# Altium PCB LoggerBoard.PcbDoc
Units mm, origin at the board's own origin, x right, y up, seen from the top; angles counter-clockwise.
Board outline 112.88 x 192.86 mm, 2 copper layers (Top Layer, Bottom Layer); 197 components, 180 nets, 923 pads, 0 vias.
Unrouted connection lines stored in the file: 617.
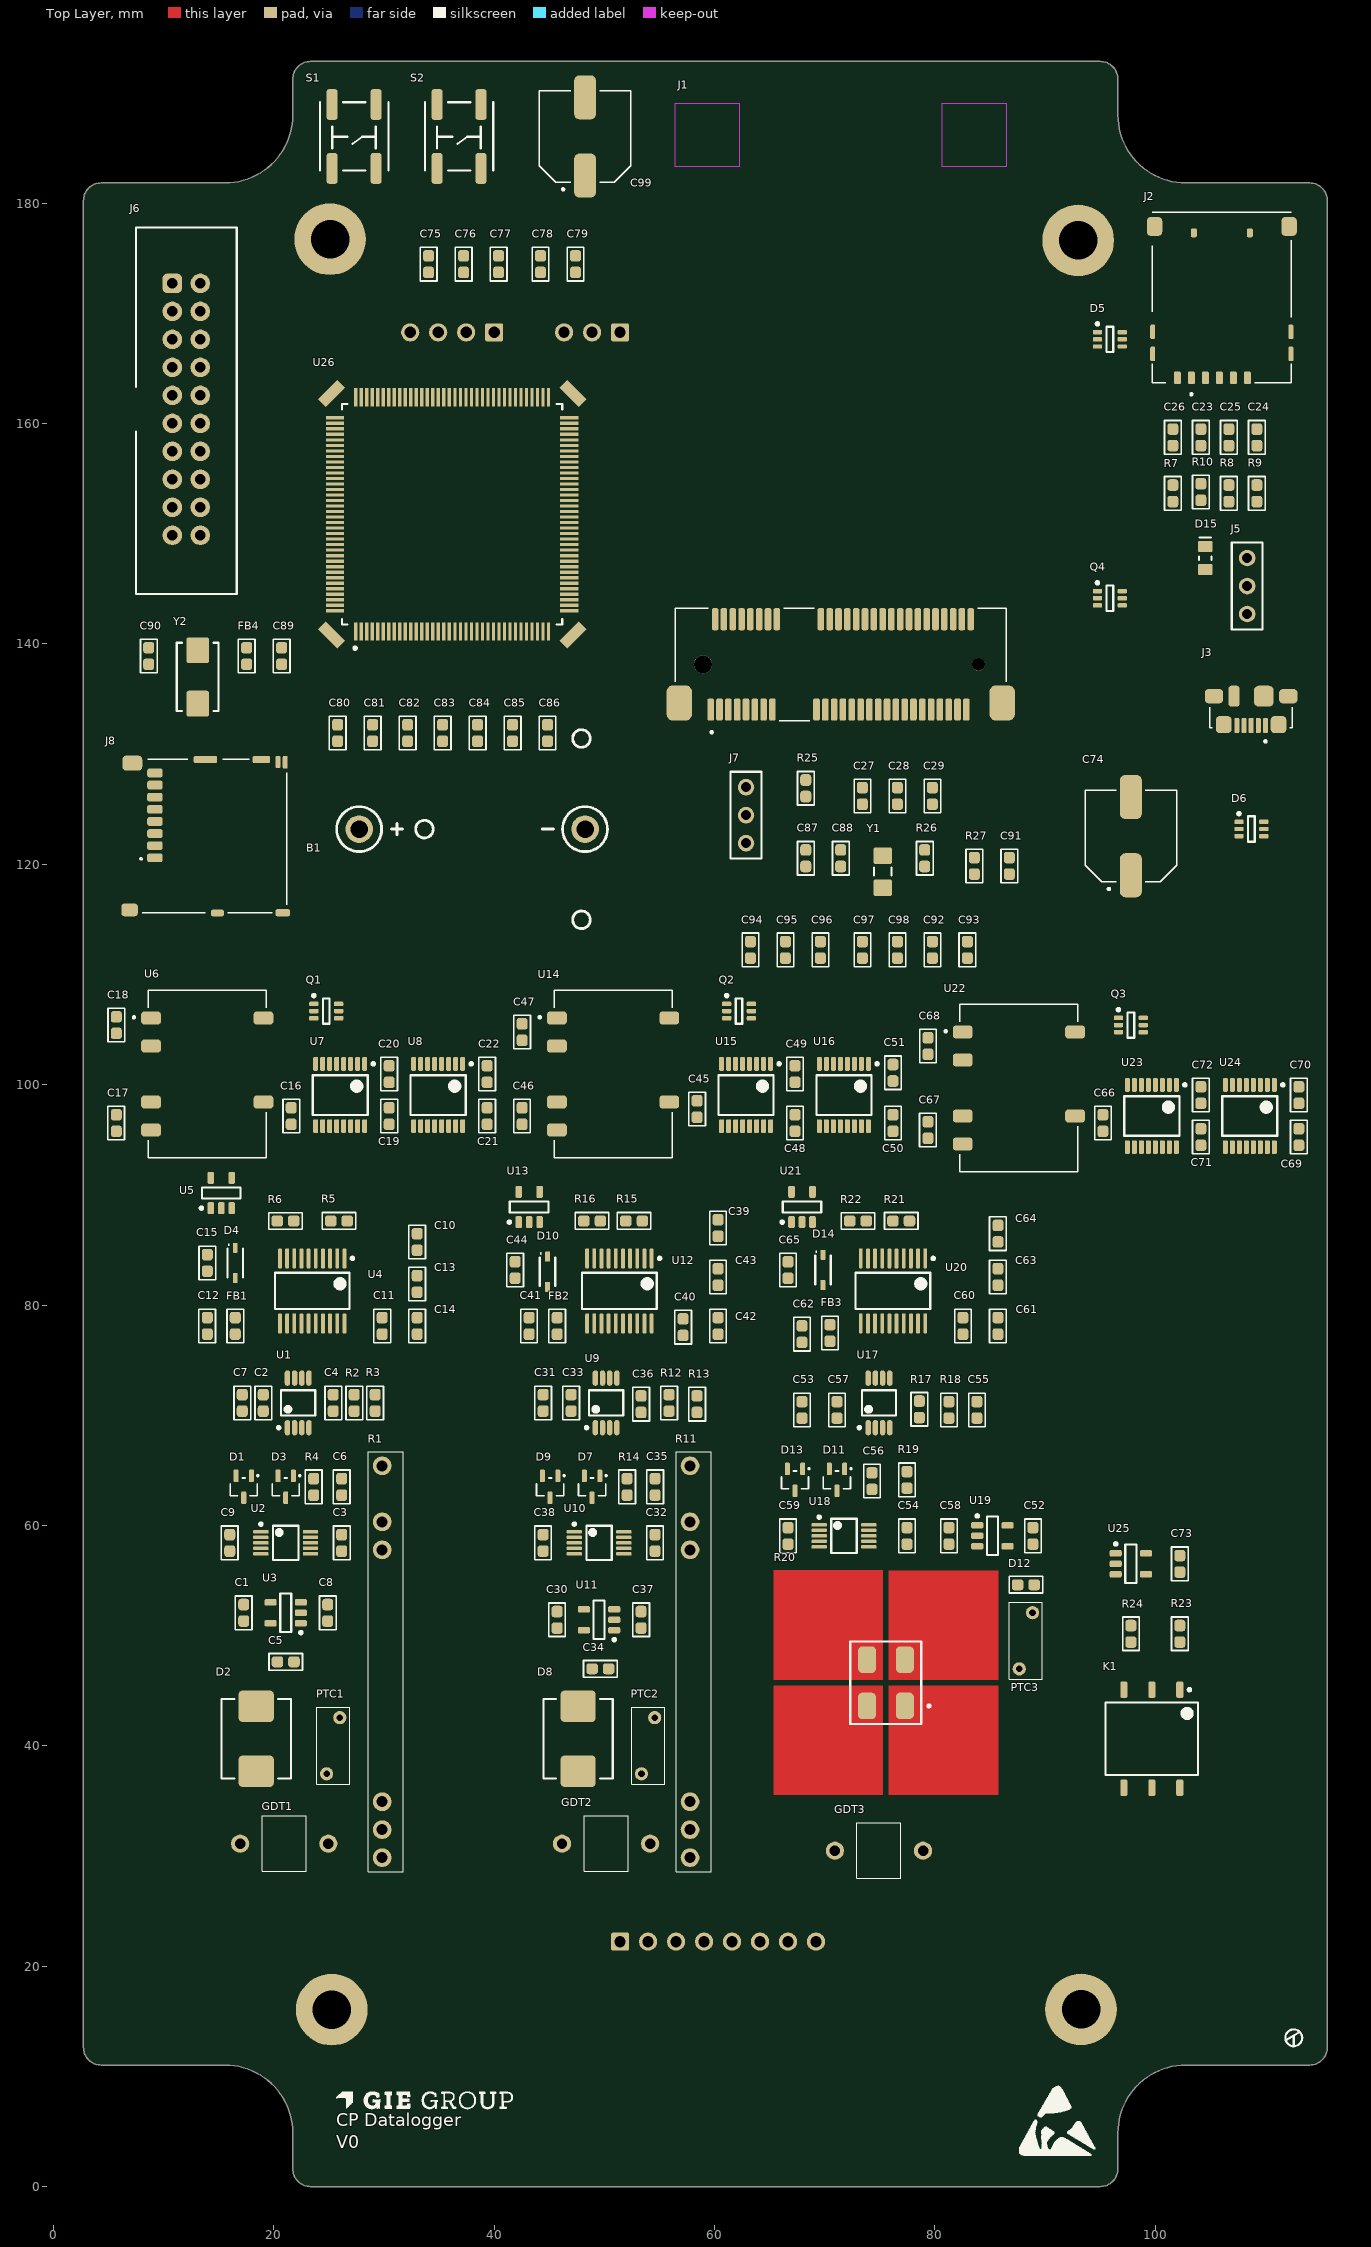
[diagram p0: Top Layer view]
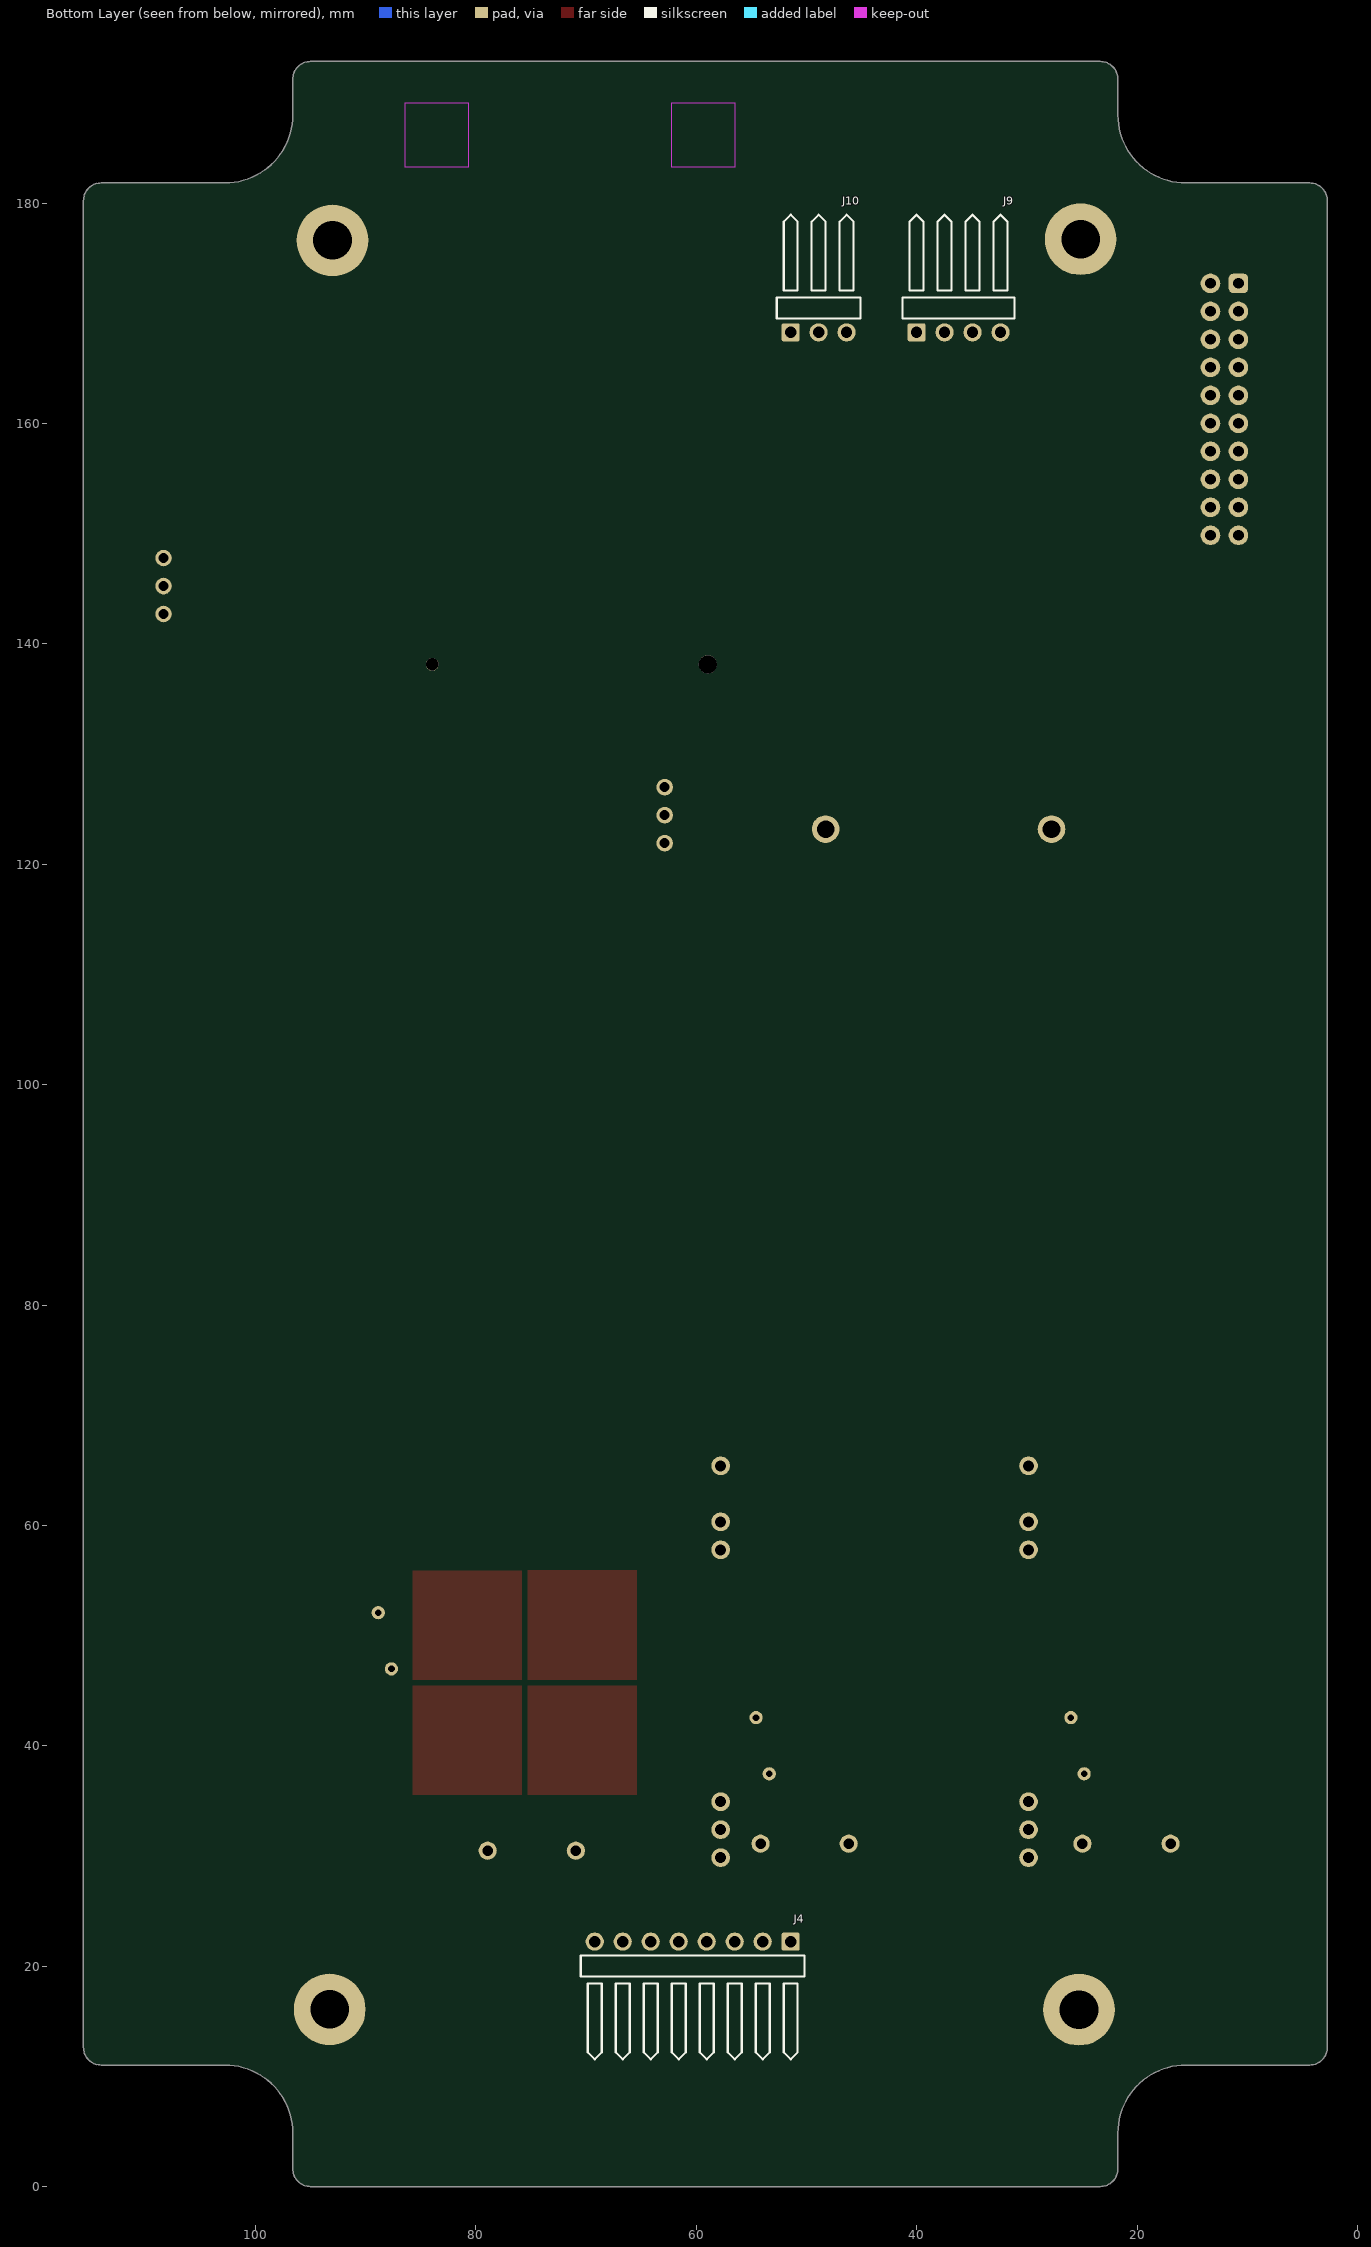
[diagram p1: Bottom Layer view, seen from below]

## Layer stack, top to bottom
Top Solder: solder mask 0.0102, Solder Resist, Dk 3.5
Top Layer: signal copper 0.0356
Dielectric 1: dielectric 0.32, FR-4, Dk 4.8
Bottom Layer: signal copper 0.0356
Bottom Solder: solder mask 0.0102, Solder Resist, Dk 3.5

## Board outline
96.616,1.6 96.615,4.854 cw(c102.785,4.854) 102.785,11.024 114.015,11.025 ccw(c114.015,12.625) 115.615,12.625 115.615,180.235 ccw(c114.015,180.235) 114.015,181.835 102.785,181.836 cw(c102.785,188.006) 96.615,188.006 96.615,191.26 96.616,191.26 ccw(c95.016,191.26) 95.016,192.86 23.335,192.86 ccw(c23.335,191.26) 21.735,191.26 21.735,188.006 cw(c15.565,188.006) 15.565,181.836 4.335,181.835 ccw(c4.335,180.235) 2.735,180.235 2.735,12.625 ccw(c4.335,12.625) 4.335,11.025 15.565,11.024 cw(c15.565,4.854) 21.735,4.854 21.735,1.6 ccw(c23.335,1.6) 23.335,0 95.016,0 ccw(c95.016,1.6)

## Design rules (kind name [scope] priority, off if disabled: settings)
Clearance [All] p1: gap=0.254 ignorepadtopadclearanceinfootprint=FALSE except(0: Arc-Hole Track-Hole SMDPad-Hole THPad-Hole Via-Hole Fill-Hole Poly-Hole Region-Hole Text-Hole)
PolygonConnect [All] p1: connectstyle=Relief reliefconductorwidth=0.254 reliefentries=4 polygonreliefangle="90 Angle" airgapwidth=0.254
RoomDefinition USB [InComponentClass('USB')] p1: confinementstyle=ConfineOut formatcopy=TRUE lockcomponents=FALSE outline 186.055,109.855 197.485,109.855 197.485,123.825 186.055,123.825
RoomDefinition POWER [InComponentClass('POWER')] p2: confinementstyle=ConfineOut formatcopy=TRUE lockcomponents=FALSE outline 178.435,86.36 197.485,86.36 197.485,100.965 178.435,100.965
RoomDefinition MICRO-SD [InComponentClass('MICRO-SD')] p3: confinementstyle=ConfineOut formatcopy=TRUE lockcomponents=FALSE outline 233.68,71.12 250.19,71.12 250.19,90.17 233.68,90.17
RoomDefinition MICROCONTROLLER-PORTS [InComponentClass('MICROCONTROLLER-PORTS')] p4: confinementstyle=ConfineOut formatcopy=TRUE lockcomponents=FALSE outline 185.42,-27.305 236.22,-27.305 236.22,-1.905 185.42,-1.905
RoomDefinition MICROCONTROLLER-CONTROL [InComponentClass('MICROCONTROLLER-CONTROL')] p5: confinementstyle=ConfineOut formatcopy=TRUE lockcomponents=FALSE outline 201.295,8.89 227.965,8.89 227.965,36.83 201.295,36.83
RoomDefinition General [InComponentClass('General')] p6: confinementstyle=ConfineOut formatcopy=TRUE lockcomponents=FALSE outline 239.395,41.275 252.095,41.275 252.095,64.135 239.395,64.135
RoomDefinition SWITCH [InComponentClass('SWITCH')] p7: confinementstyle=ConfineOut formatcopy=TRUE lockcomponents=FALSE outline 170.815,20.955 193.04,20.955 193.04,33.655 170.815,33.655
RoomDefinition "CH3 ISOLATION" [InComponentClass('CH3 ISOLATION')] p8: confinementstyle=ConfineOut formatcopy=TRUE lockcomponents=FALSE outline 320.675,-40.64 389.255,-40.64 389.255,-22.225 320.675,-22.225
RoomDefinition "CH3 INPUT" [InComponentClass('CH3 INPUT')] p9: confinementstyle=ConfineOut formatcopy=TRUE lockcomponents=FALSE outline 259.715,-13.97 389.89,-13.97 389.89,8.89 259.715,8.89
RoomDefinition MODEM [InComponentClass('MODEM')] p10: confinementstyle=ConfineOut formatcopy=TRUE lockcomponents=FALSE outline 180.34,48.26 203.2,48.26 203.2,67.945 180.34,67.945
RoomDefinition "CH2 ISOLATION" [InComponentClass('CH2 ISOLATION')] p11: confinementstyle=ConfineOut formatcopy=TRUE lockcomponents=FALSE outline 314.325,11.43 382.905,11.43 382.905,29.845 314.325,29.845
RoomDefinition "CH2 INPUT" [InComponentClass('CH2 INPUT')] p12: confinementstyle=ConfineOut formatcopy=TRUE lockcomponents=FALSE outline 260.985,134.62 383.54,134.62 383.54,175.26 260.985,175.26
RoomDefinition "CH1 ISOLATION" [InComponentClass('CH1 ISOLATION')] p13: confinementstyle=ConfineOut formatcopy=TRUE lockcomponents=FALSE outline 331.47,45.72 382.27,45.72 382.27,71.12 331.47,71.12
RoomDefinition "CH1 INPUT" [InComponentClass('CH1 INPUT')] p14: confinementstyle=ConfineOut formatcopy=TRUE lockcomponents=FALSE outline 263.525,85.725 381,85.725 381,126.365 263.525,126.365
RoutingVias [All] p1: holewidth=0.711 width=1.27 viastyle="Through Hole" minholewidth=0.711 minwidth=1.27 maxholewidth=0.711 maxwidth=1.27
SolderMaskExpansion [All] p1: expansion=0.102 istentingtop=FALSE
Width [All] p1: maxlimit=0.254 minlimit=0.254 preferedwidth=0.254
30 further rules are at their usual default settings.

## Classes and differential pairs
component class USB: J9
component class POWER: C99 J10
component class MICRO-SD: J8
component class MICROCONTROLLER-CONTROL: B1 C75 C76 C77 C78 C79 C80 C81 C82 C83 C84 C85 C86 C89 C90 C91 C92 C93 C94 C95 C96 C97 C98 FB4 R27 S1 S2 Y2
component class MICROCONTROLLER-PORTS: C87 C88 J6 J7 R26 U26 Y1
component class General: J4
component class SWITCH: C73 K1 R23 R24 U25
component class "CH3 ISOLATION": C65 C66 C67 C68 C69 C70 C71 C72 D14 Q3 U21 U22 U23 U24
component class "CH3 INPUT": C52 C53 C54 C55 C56 C57 C58 C59 C60 C61 C62 C63 C64 D11 D12 D13 FB3 GDT3 PTC3 R17 R18 R19 R20 R21 R22 U17 U18 U19 U20
component class MODEM: C23 C24 C25 C26 C27 C28 C29 C74 D5 D6 D15 J1 J2 J3 J5 Q4 R7 R8 R9 R10 R25
component class "CH2 ISOLATION": C44 C45 C46 C47 C48 C49 C50 C51 D10 Q2 U13 U14 U15 U16
component class "CH2 INPUT": C30 C31 C32 C33 C34 C35 C36 C37 C38 C39 C40 C41 C42 C43 D7 D8 D9 FB2 GDT2 PTC2 R11 R12 R13 R14 R15 R16 U9 U10 U11 U12
component class "CH1 ISOLATION": C15 C16 C17 C18 C19 C20 C21 C22 D4 Q1 U5 U6 U7 U8
component class "CH1 INPUT": C1 C2 C3 C4 C5 C6 C7 C8 C9 C10 C11 C12 C13 C14 D1 D2 D3 FB1 GDT1 PTC1 R1 R2 R3 R4 R5 R6 U1 U2 U3 U4

## Components (designator, comment, footprint, x,y, rotation, side; value= is the part's Value field where it differs from the comment)
B1 "101" Holder-CR2032-103 43.18,123.19 r180 top
C1 "C0603C104K5RACAUTO" CAP-0603 17.28,52.07 r270 top value=0.1uF
C2 "C0603C104K5RACAUTO" CAP-0603 19.05,71.12 r90 top value=0.1uF
C3 "C0603C104K5RACAUTO" CAP-0603 26.17,58.42 r90 top value=0.1uF
C4 "C0603C162J5GAC7867" CAP-0603 25.4,71.12 r90 top value=1.6nF
C5 "C0603C161J1GAC7867" CAP-0603 21.09,47.625 r0 top value=750pF
C6 "C0603C162J5GAC7867" CAP-0603 26.17,63.5 r270 top value=1.6nF
C7 "C0603C161J1GAC7867" CAP-0603 17.145,71.12 r90 top value=160pF
C8 "C0603C104K5RACAUTO" CAP-0603 24.9,52.07 r90 top value=0.1uF
C9 "C0603C104K5RACAUTO" CAP-0603 16.01,58.42 r270 top value=0.1uF
C10 "C0603C105M3RAC7867" CAP-0603 33.02,85.725 r90 top value=1.0uF
C11 "C0603C105M3RAC7867" CAP-0603 29.845,78.105 r90 top value=1.0uF
C12 "C0603C105M3RAC7867" CAP-0603 13.97,78.105 r270 top value=1.0uF
C13 "C0603C105M3RAC7867" CAP-0603 33.02,81.915 r270 top value=1.0uF
C14 "C0603C105M3RAC7867" CAP-0603 33.02,78.105 r90 top value=1.0uF
C15 "C0603C105M3RAC7867" CAP-0603 13.97,83.82 r90 top value=1.0uF
C16 "C0603C105M3RAC7867" CAP-0603 21.59,97.155 r90 top value=1.0uF
C17 "C0603C105M3RAC7867" CAP-0603 5.715,96.52 r270 top value=1.0uF
C18 "C0603C105M3RAC7867" CAP-0603 5.715,105.41 r90 top value=1.0uF
C19 "C0603C105M3RAC7867" CAP-0603 30.48,97.155 r90 top value=1.0uF
C20 "C0603C105M3RAC7867" CAP-0603 30.48,100.965 r270 top value=1.0uF
C21 "C0603C105M3RAC7867" CAP-0603 39.37,97.155 r90 top value=1.0uF
C22 "C0603C105M3RAC7867" CAP-0603 39.37,100.965 r90 top value=1.0uF
C23 "C0603C330F3GAC7867" CAP-0603 104.14,158.75 r90 top value=33pF
C24 "C0603C330F3GAC7867" CAP-0603 109.22,158.75 r90 top value=33pF
C25 "C0603C330F3GAC7867" CAP-0603 106.68,158.75 r90 top value=33pF
C26 "C0603C330F3GAC7867" CAP-0603 101.6,158.75 r90 top value=33pF
C27 "C0603C104K5RACAUTO" CAP-0603 73.425,126.205 r90 top value=0.1uF
C28 "C0603C330F3GAC7867" CAP-0603 76.6,126.205 r90 top value=33pF
C29 "C0603C100K3GAC7867" CAP-0603 79.775,126.205 r90 top value=10pF
C30 "C0603C104K5RACAUTO" CAP-0603 45.72,51.435 r270 top value=0.1uF
C31 "C0603C104K5RACAUTO" CAP-0603 44.45,71.12 r90 top value=0.1uF
C32 "C0603C104K5RACAUTO" CAP-0603 54.61,58.42 r270 top value=0.1uF
C33 "C0603C162J5GAC7867" CAP-0603 46.99,71.12 r90 top value=1.6nF
C34 "C0603C161J1GAC7867" CAP-0603 49.645,46.99 r0 top value=750pF
C35 "C0603C162J5GAC7867" CAP-0603 54.61,63.5 r90 top value=1.6nF
C36 "C0603C161J1GAC7867" CAP-0603 53.34,71.005 r90 top value=160pF
C37 "C0603C104K5RACAUTO" CAP-0603 53.34,51.435 r90 top value=0.1uF
C38 "C0603C104K5RACAUTO" CAP-0603 44.45,58.42 r270 top value=0.1uF
C39 "C0603C105M3RAC7867" CAP-0603 60.325,86.995 r270 top value=1.0uF
C40 "C0603C105M3RAC7867" CAP-0603 57.15,77.99 r90 top value=1.0uF
C41 "C0603C105M3RAC7867" CAP-0603 43.18,78.105 r270 top value=1.0uF
C42 "C0603C105M3RAC7867" CAP-0603 60.325,78.105 r270 top value=1.0uF
C43 "C0603C105M3RAC7867" CAP-0603 60.325,82.55 r270 top value=1.0uF
C44 "C0603C105M3RAC7867" CAP-0603 41.91,83.185 r90 top value=1.0uF
C45 "C0603C105M3RAC7867" CAP-0603 58.42,97.79 r90 top value=1.0uF
C46 "C0603C105M3RAC7867" CAP-0603 42.545,97.155 r270 top value=1.0uF
C47 "C0603C105M3RAC7867" CAP-0603 42.545,104.775 r90 top value=1.0uF
C48 "C0603C105M3RAC7867" CAP-0603 67.31,96.52 r270 top value=1.0uF
C49 "C0603C105M3RAC7867" CAP-0603 67.31,100.965 r90 top value=1.0uF
C50 "C0603C105M3RAC7867" CAP-0603 76.2,96.52 r90 top value=1.0uF
C51 "C0603C105M3RAC7867" CAP-0603 76.2,101.08 r90 top value=1.0uF
C52 "C0603C104K5RACAUTO" CAP-0603 88.9,59.055 r90 top value=0.1uF
C53 "C0603C104K5RACAUTO" CAP-0603 67.945,70.485 r90 top value=0.1uF
C54 "C0603C104K5RACAUTO" CAP-0603 77.47,59.055 r90 top value=0.1uF
C55 "C0603C162J5GAC7867" CAP-0603 83.82,70.485 r90 top value=1.6nF
C56 "C0603C162J5GAC7867" CAP-0603 74.295,64.02 r90 top value=1.6nF
C57 "C0603C161J1GAC7867" CAP-0603 71.12,70.485 r90 top value=160pF
C58 "C0603C104K5RACAUTO" CAP-0603 81.28,59.055 r90 top value=0.1uF
C59 "C0603C104K5RACAUTO" CAP-0603 66.675,59.055 r90 top value=0.1uF
C60 "C0603C105M3RAC7867" CAP-0603 82.55,78.105 r90 top value=1.0uF
C61 "C0603C105M3RAC7867" CAP-0603 85.725,78.105 r270 top value=1.0uF
C62 "C0603C105M3RAC7867" CAP-0603 67.945,77.355 r90 top value=1.0uF
C63 "C0603C105M3RAC7867" CAP-0603 85.725,82.55 r270 top value=1.0uF
C64 "C0603C105M3RAC7867" CAP-0603 85.725,86.475 r270 top value=1.0uF
C65 "C0603C105M3RAC7867" CAP-0603 66.675,83.185 r90 top value=1.0uF
C66 "C0603C105M3RAC7867" CAP-0603 95.25,96.52 r90 top value=1.0uF
C67 "C0603C105M3RAC7867" CAP-0603 79.375,95.885 r270 top value=1.0uF
C68 "C0603C105M3RAC7867" CAP-0603 79.375,103.505 r90 top value=1.0uF
C69 "C0603C105M3RAC7867" CAP-0603 113.03,95.25 r90 top value=1.0uF
C70 "C0603C105M3RAC7867" CAP-0603 113.03,99.06 r90 top value=1.0uF
C71 "C0603C105M3RAC7867" CAP-0603 104.14,95.25 r90 top value=1.0uF
C72 "C0603C105M3RAC7867" CAP-0603 104.14,99.06 r90 top value=1.0uF
C73 "C0603C104K5RACAUTO" CAP-0603 102.235,56.515 r270 top value=0.1uF
C74 "EEE-FK0J471P" CAP_ALUM_SIZE_F 97.79,122.555 r90 top value=470uF
C75 "C0603C104K5RACAUTO" CAP-0603 34.055,174.465 r90 top value=0.1uF
C76 "C0603C104K5RACAUTO" CAP-0603 37.23,174.465 r90 top value=0.1uF
C77 "C0603C104K5RACAUTO" CAP-0603 40.405,174.465 r90 top value=0.1uF
C78 "C0603C104K5RACAUTO" CAP-0603 44.215,174.465 r90 top value=0.1uF
C79 "C0603C104K5RACAUTO" CAP-0603 47.39,174.465 r90 top value=0.1uF
C80 "C0603C104K5RACAUTO" CAP-0603 25.8,131.92 r90 top value=0.1uF
C81 "C0603C104K5RACAUTO" CAP-0603 28.975,131.92 r90 top value=0.1uF
C82 "C0603C104K5RACAUTO" CAP-0603 32.15,131.92 r90 top value=0.1uF
C83 "C0603C104K5RACAUTO" CAP-0603 35.325,131.92 r90 top value=0.1uF
C84 "C0603C104K5RACAUTO" CAP-0603 38.5,131.92 r90 top value=0.1uF
C85 "C0603C104K5RACAUTO" CAP-0603 41.675,131.92 r90 top value=0.1uF
C86 "C0603C104K5RACAUTO" CAP-0603 44.85,131.92 r90 top value=0.1uF
C87 "CBR06C679B5GAC" CAP-0603 68.285,120.551 r90 top value=6.7pF
C88 "CBR06C679B5GAC" CAP-0603 71.46,120.551 r90 top value=6.7pF
C89 "C0603C100K3GAC7867" CAP-0603 20.72,138.905 r90 top value=10pF
C90 "C0603C100K3GAC7867" CAP-0603 8.655,138.905 r90 top value=10pF
C91 "C0603C104K5RACAUTO" CAP-0603 86.76,119.855 r90 top value=0.1uF
C92 "C0603C225M9PAC7867" CAP-0603 79.775,112.235 r90 top value=2.2uF
C93 "C0603C225M9PAC7867" CAP-0603 82.95,112.235 r90 top value=2.2uF
C94 "C0603C105M3RAC7867" CAP-0603 63.265,112.235 r90 top value=1.0uF
C95 "C0603C105M3RAC7867" CAP-0603 66.44,112.235 r90 top value=1.0uF
C96 "C0603C104K5RACAUTO" CAP-0603 69.615,112.235 r90 top value=0.1uF
C97 "C0603C105M3RAC7867" CAP-0603 73.425,112.235 r90 top value=1.0uF
C98 "C0603C104K5RACAUTO" CAP-0603 76.6,112.235 r90 top value=0.1uF
C99 "EEE-FK0J471P" CAP_ALUM_SIZE_F 48.26,186.055 r90 top value=470uF
D1 "NSVBAT54WT1G" SOT-323-3 17.28,63.5 r180 top
D2 "1.5SMC130CA" "SMC - BIIDIR" 18.415,40.64 r270 top
D3 "NSVBAT54WT1G" SOT-323-3 21.09,63.5 r180 top
D4 "MM3Z5V6T1G" "SOD323 - DIODE UNIDIR" 16.51,83.82 r90 top
D5 "CM1213A-04SO" TSSOP6 95.885,167.64 r0 top
D6 "CM1213A-04SO" TSSOP6 108.73,123.205 r0 top
D7 "NSVBAT54WT1G" SOT-323-3 48.895,63.5 r180 top
D8 "1.5SMC130CA" "SMC - BIIDIR" 47.625,40.64 r270 top
D9 "NSVBAT54WT1G" SOT-323-3 45.085,63.5 r180 top
D10 "MM3Z5V6T1G" "SOD323 - DIODE UNIDIR" 44.85,83.025 r90 top
D11 "NSVBAT54WT1G" SOT-323-3 71.12,64.135 r180 top
D12 "D3V3L1B2LP3-7" DIODE-0603 88.265,54.61 r180 top
D13 "NSVBAT54WT1G" SOT-323-3 67.31,64.135 r180 top
D14 "MM3Z5V6T1G" "SOD323 - DIODE UNIDIR" 69.85,83.185 r90 top
D15 "LTST-C170KRKT" "0805 - LED" 104.54,147.795 r90 top
FB1 "Z0603C121GPWZT" IND-0603 16.51,78.105 r90 top value=120@100MHz
FB2 "Z0603C121GPWZT" IND-0603 45.72,78.105 r90 top value=120@100MHz
FB3 "Z0603C121GPWZT" IND-0603 70.485,77.47 r90 top value=120@100MHz
FB4 "Z0603C121GPWZT" IND-0603 17.545,138.905 r90 top value=120@100MHz
GDT1 "CG5145LTR" LITTLELFUSE-CG5XXXLTR 20.955,31.115 r180 top
GDT2 "CG5145LTR" LITTLELFUSE-CG5XXXLTR 50.165,31.115 r180 top
GDT3 "CG5145LTR" LITTLELFUSE-CG5XXXLTR 74.93,30.48 r180 top
J1 "0679100002" MOLEX-679100002 71.46,138.14 r0 top
J2 "786463001" MOLEX-786463001 106.045,171.45 r90 top
J3 "473460001" MOLEX-473460001 108.705,135.255 r180 top
J4 "640455-8" TE-640455-8 51.435,22.225 r0 bottom
J5 "PRPC003SAAN-RC" PIN3 108.35,142.715 r90 top
J6 "5103308-5" TE-5103308-5 12.065,161.29 r90 top
J7 "PRPC003SAAN-RC" PIN3 62.865,121.92 r90 top
J8 "2201778-1" TE-2201778-1 13.97,122.555 r270 top
J9 "640455-4" TE-640455-4 36.195,168.275 r180 bottom
J10 "640455-3" TE-640455-3 46.355,168.275 r180 bottom
K1 "LCB716S" SMD6 99.695,40.64 r270 top
PTC1 "72R020XPR" LITTLELFUSE-72R020X 25.4,40.005 r90 top
PTC2 "72R020XPR" LITTLELFUSE-72R020X 53.975,40.005 r90 top
PTC3 "72R020XPR" LITTLELFUSE-72R020X 88.265,49.53 r90 top
Q1 "MIC94092YC6-TR" TSSOP6 24.765,106.68 r0 top
Q2 "MIC94092YC6-TR" TSSOP6 62.23,106.68 r0 top
Q3 "MIC94092YC6-TR" TSSOP6 97.79,105.41 r0 top
Q4 "MIC94092YC6-TR" TSSOP6 95.885,144.145 r0 top
R1 "HVD5-B20M-050-05" "CADDOCK - HVD5-B20M-050-05" 29.845,34.925 r90 top
R2 "RC0603FR-07113KL" RES-0603 27.305,71.12 r90 top value=113K
R3 "RC0603FR-07887KL" RES-0603 29.21,71.12 r270 top value=887K
R4 "RC0603FR-07100KL" RES-0603 23.63,63.5 r270 top value=100K
R5 "RC0603FR-071ML" RES-0603 25.92,87.63 r180 top value=1.00M
R6 "RC0603FR-071ML" RES-0603 21.07,87.63 r0 top value=1.00M
R7 "RC0603FR-0715KL" RES-0603 101.6,153.67 r270 top value=15.0K
R8 "RC0603FR-0722RL" RES-0603 106.68,153.67 r90 top value=22
R9 "RC0603FR-0722RL" RES-0603 109.22,153.67 r90 top value=22
R10 "RC0603FR-0722RL" RES-0603 104.14,153.785 r90 top value=22
R11 "HVD5-B20M-050-05" "CADDOCK - HVD5-B20M-050-05" 57.785,34.925 r90 top
R12 "RC0603FR-07113KL" RES-0603 55.88,71.12 r90 top value=113K
R13 "RC0603FR-07887KL" RES-0603 58.42,71.005 r90 top value=887K
R14 "RC0603FR-07100KL" RES-0603 52.07,63.5 r90 top value=100K
R15 "RC0603FR-071ML" RES-0603 52.705,87.63 r180 top value=1.00M
R16 "RC0603FR-071ML" RES-0603 48.895,87.63 r180 top value=1.00M
R17 "RC0603FR-07113KL" RES-0603 78.593,70.539 r90 top value=113K
R18 "RC0603FR-07887KL" RES-0603 81.28,70.485 r90 top value=887K
R19 "RC0603FR-07100KL" RES-0603 77.47,64.135 r90 top value=100K
R20 "Y16061R00000B9W" "RES-2512 WIDE" 75.565,45.72 r270 top value=1.00
R21 "RC0603FR-071ML" RES-0603 76.95,87.63 r180 top value=1.00M
R22 "RC0603FR-071ML" RES-0603 73.025,87.63 r0 top value=1.00M
R23 "RC0603FR-07453RL" RES-0603 102.235,50.165 r90 top value=453
R24 "RC0603FR-07100KL" RES-0603 97.79,50.165 r90 top value=100K
R25 "RC0805FR-07100KL" RES-0603 68.285,126.901 r90 top value=105
R26 "RC0603FR-07100KL" RES-0603 79.08,120.551 r90 top value=100K
R27 "RC0603FR-0710KL" RES-0603 83.585,119.855 r90 top value=10.0K
S1 "KSC223JLFG" KSC_J 27.305,186.055 r90 top
S2 "KSC223JLFG" KSC_J 36.83,186.055 r90 top
U1 "ADA4051-2ARMZ" MSOP8 22.225,71.12 r90 top
U2 "AD8253ARMZ" MSOP10 21.09,58.42 r0 top
U3 "AD8638ARJZ" SOT23-5 21.09,52.07 r180 top
U4 "ADS1259BIPW" TSSOP20 23.495,81.28 r270 top
U5 "NCP716BCSN500T1G" SOT23-5 15.24,90.17 r90 top
U6 "R1D-3.309/P" RECOM-R1D 13.97,100.965 r0 top
U7 "ISO7762FDBQ" SSOP16 26.035,99.06 r270 top